# Altium PCB 2m_DBoard_TX.PcbDoc (part 1 of 2)
Units mm, origin at the board's own origin, x right, y up, seen from the top; angles counter-clockwise.
Board outline 63.5 x 139.7 mm, 9 copper layers (Top RF, AGND, AVDD, DVDD, GND 2, Signal 1, Mid-Layer 4, GND 1, Bottom Layer), stack 1.9 mm thick; 289 components, 256 nets, 1461 pads, 221 vias.
Unrouted connection lines stored in the file: 904.
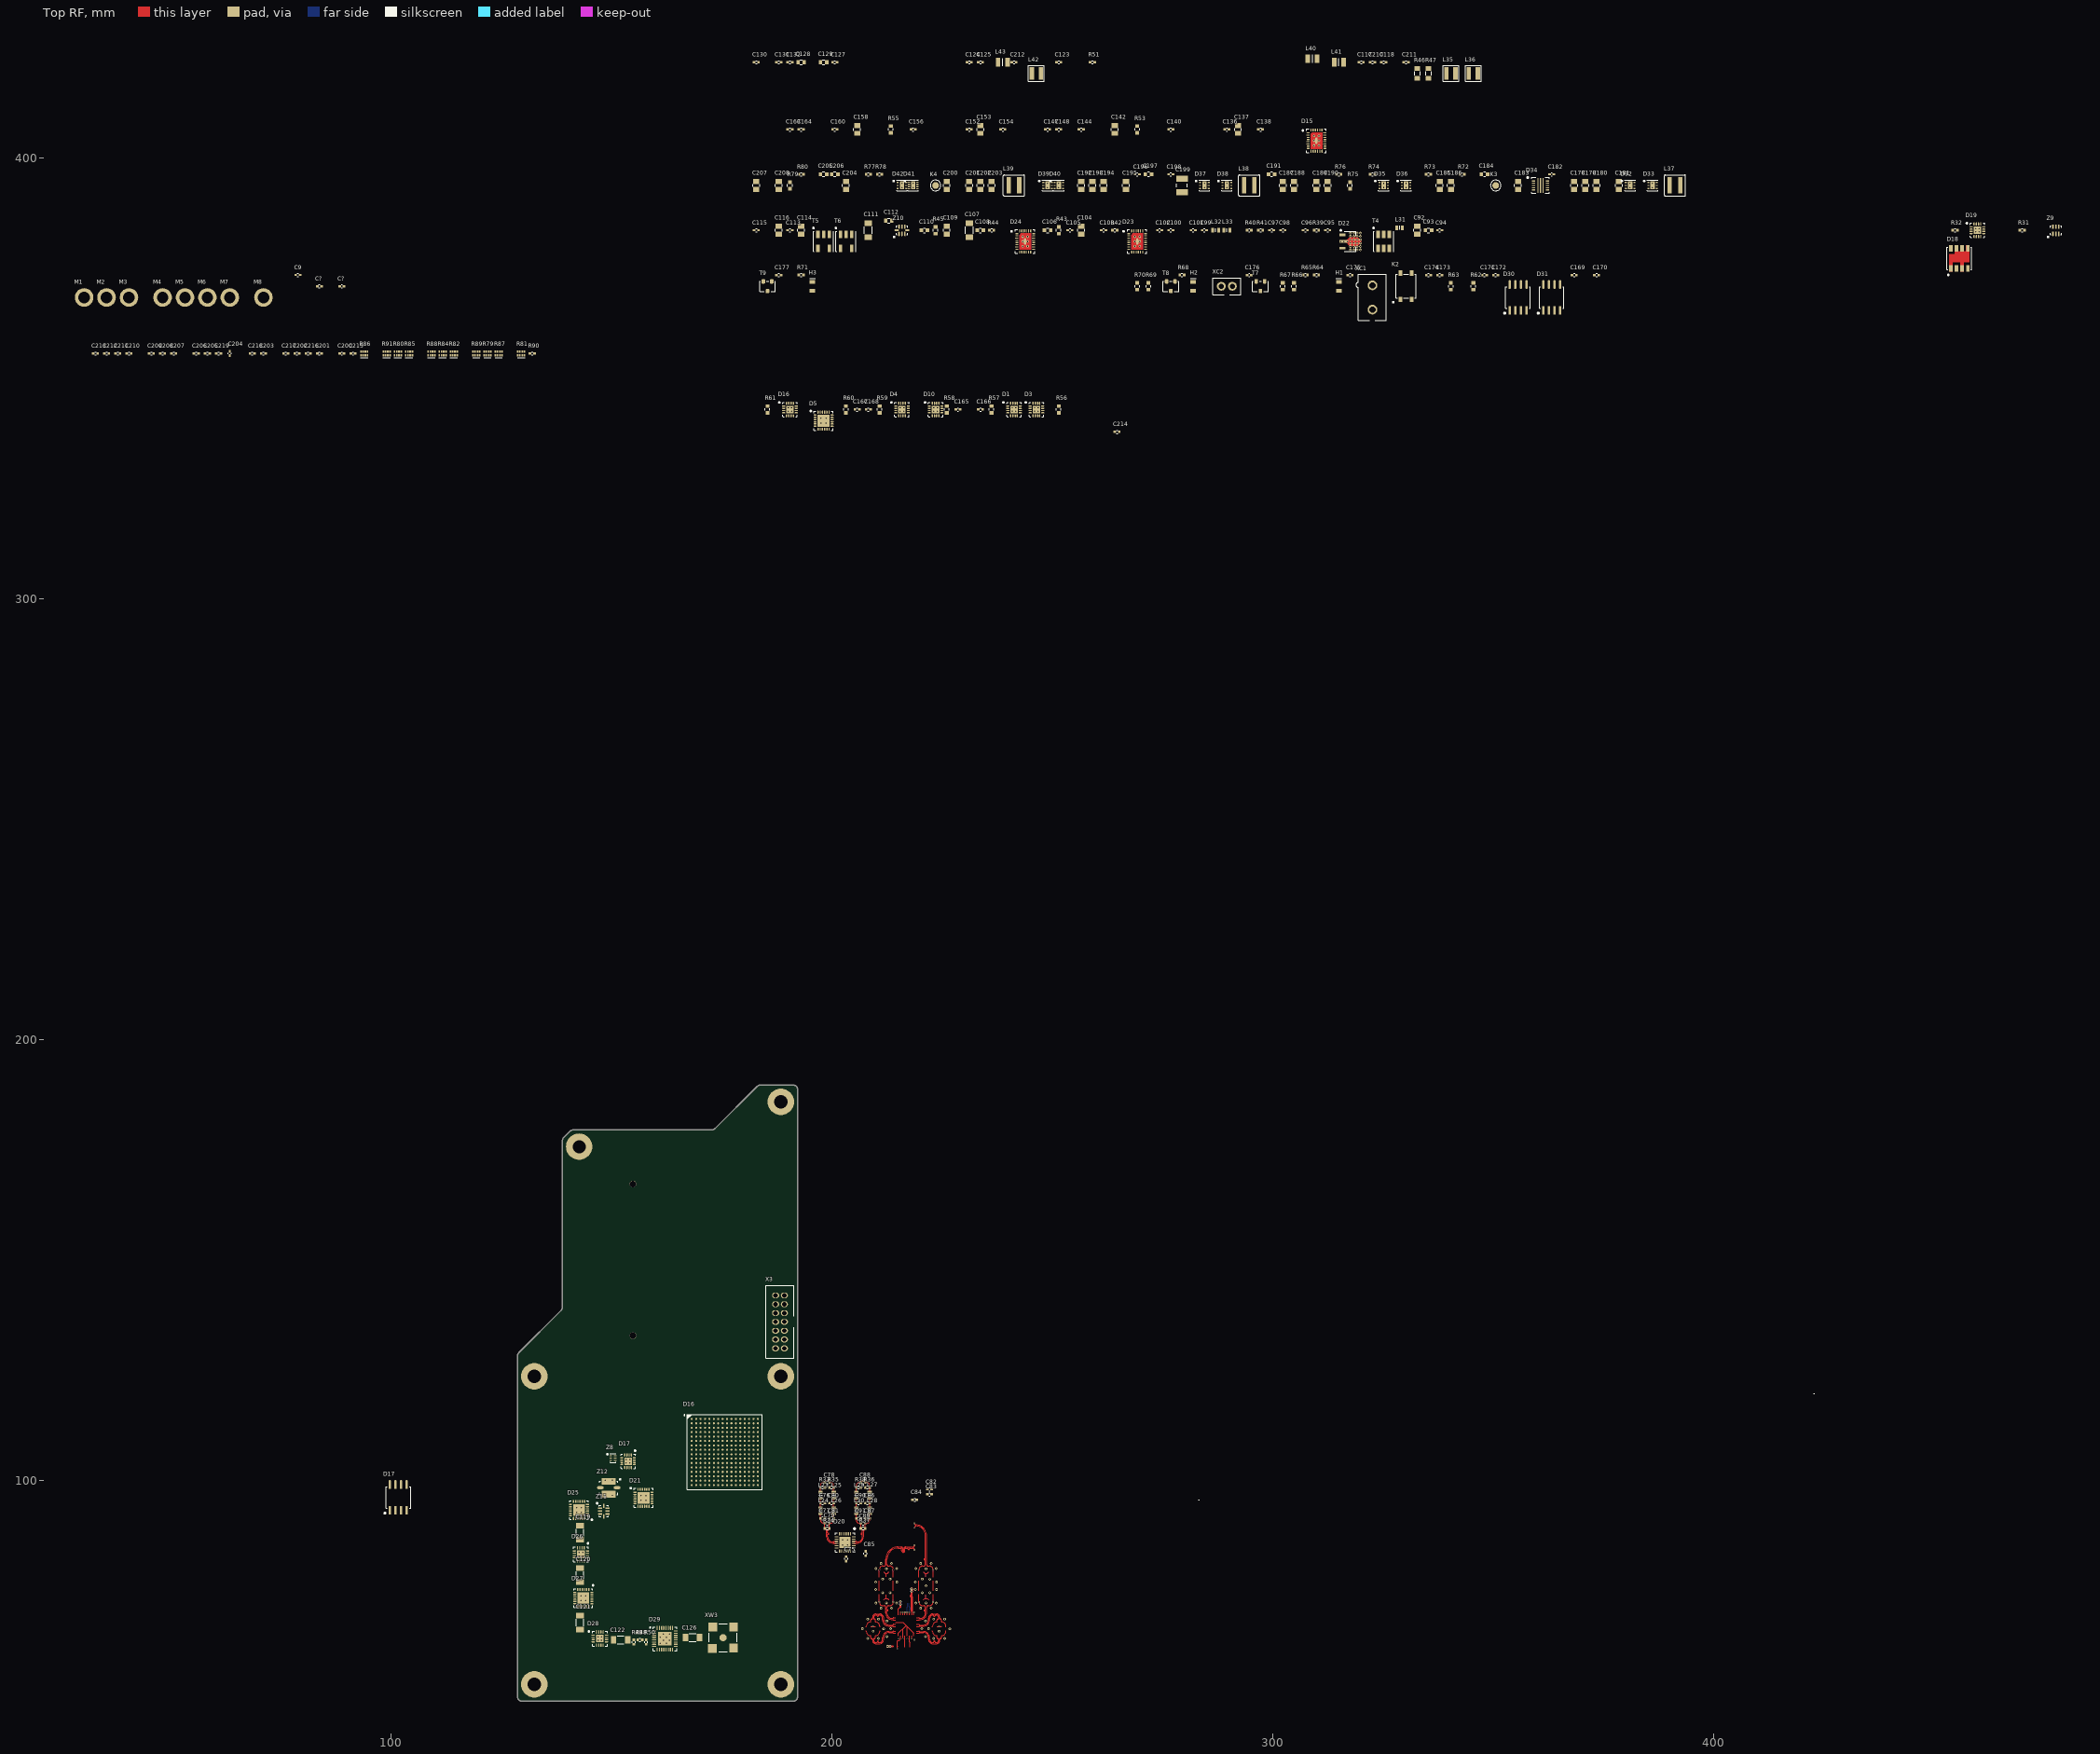
[diagram p0: Top RF view]
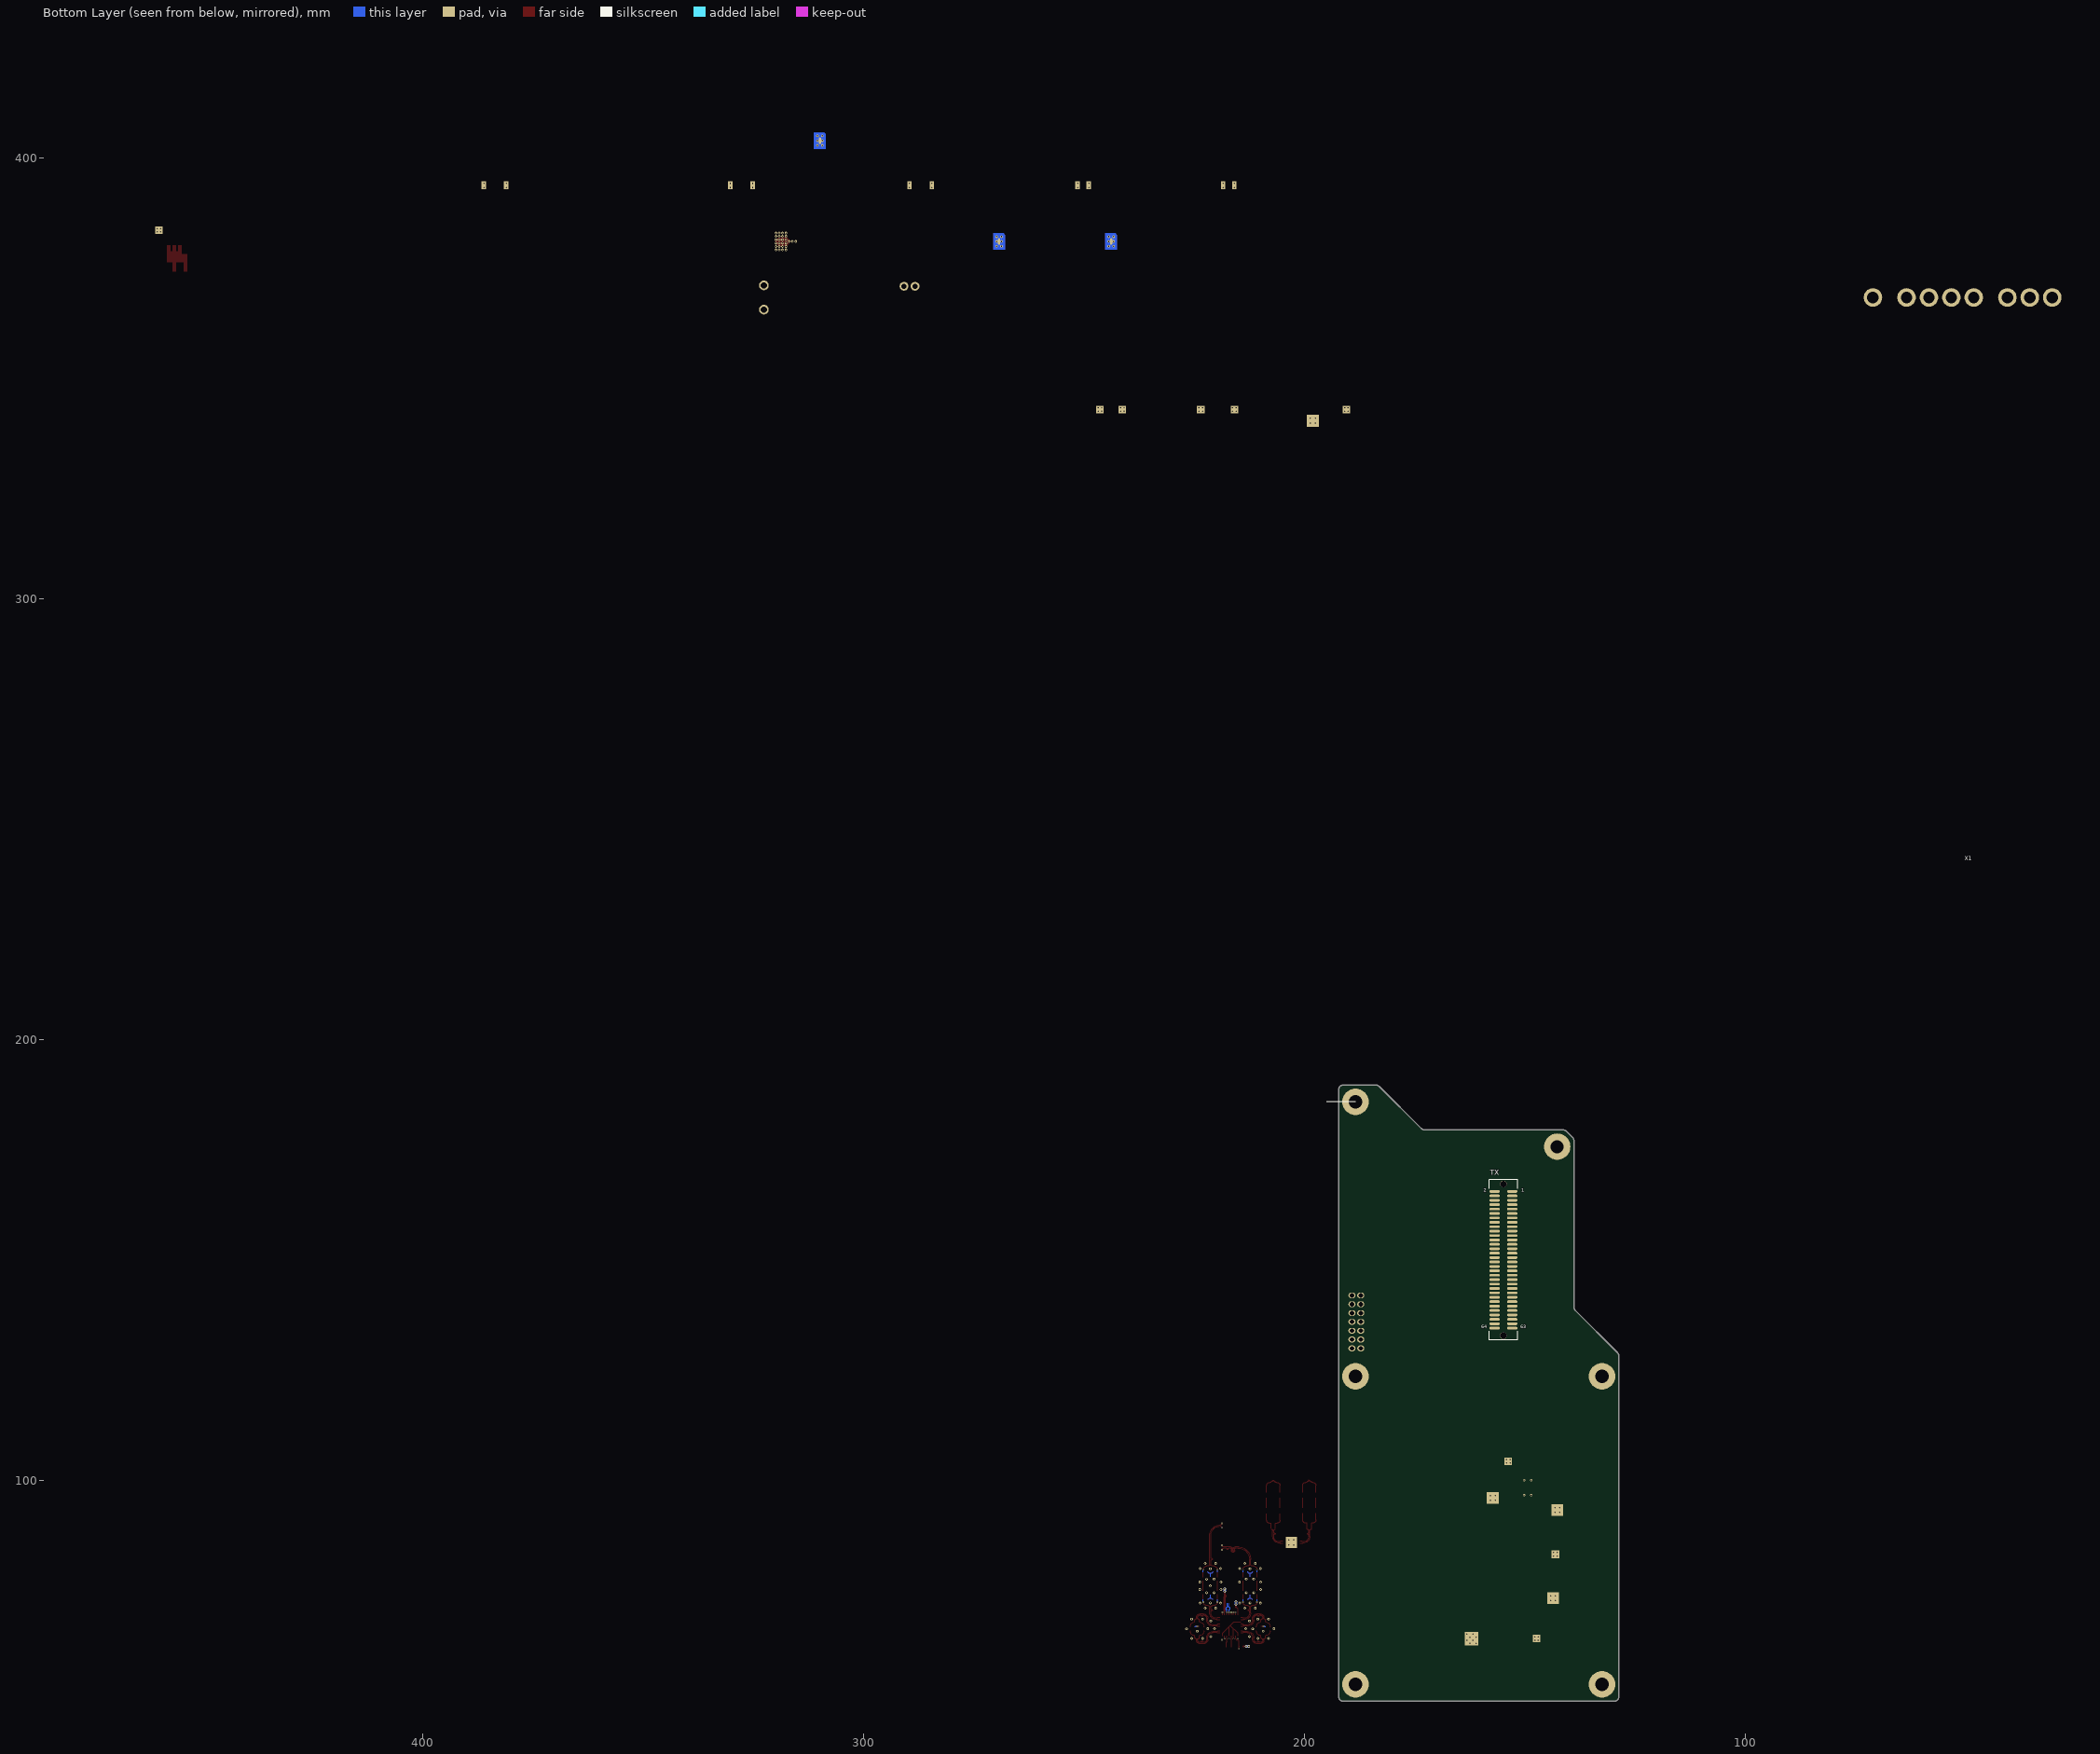
[diagram p1: Bottom Layer view, seen from below]
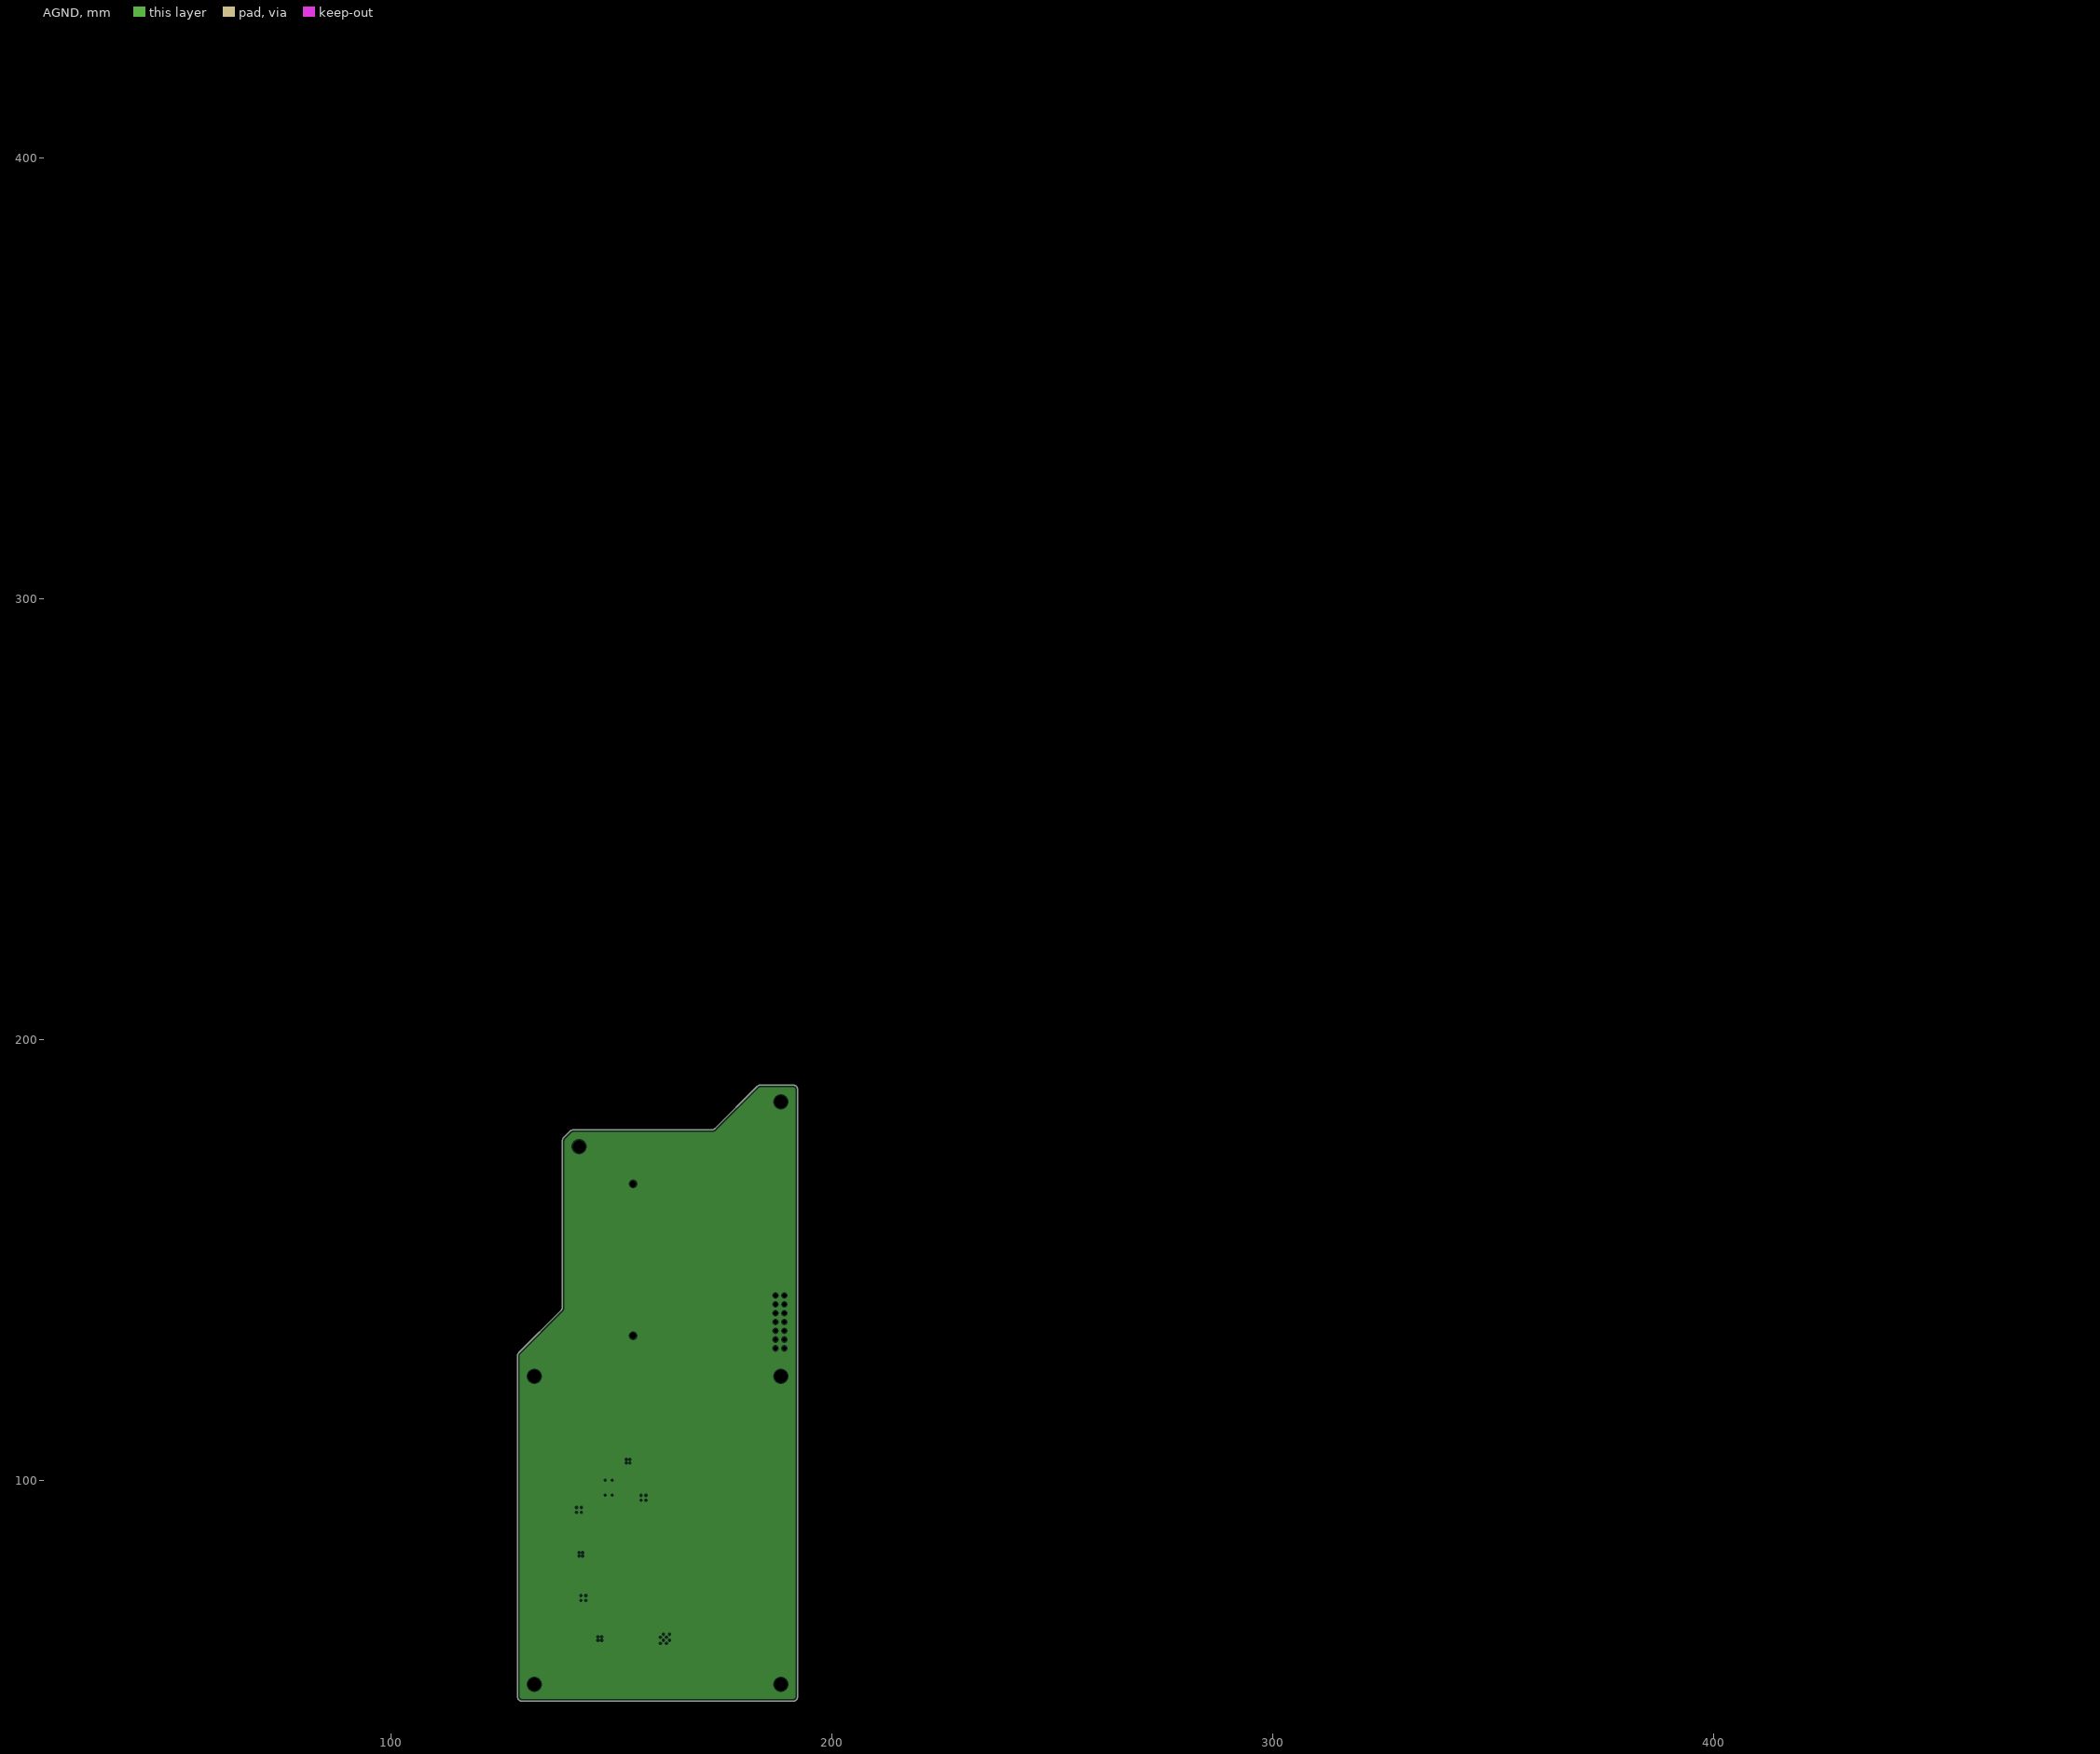
[diagram p2: AGND, clearances drawn from the general rule]
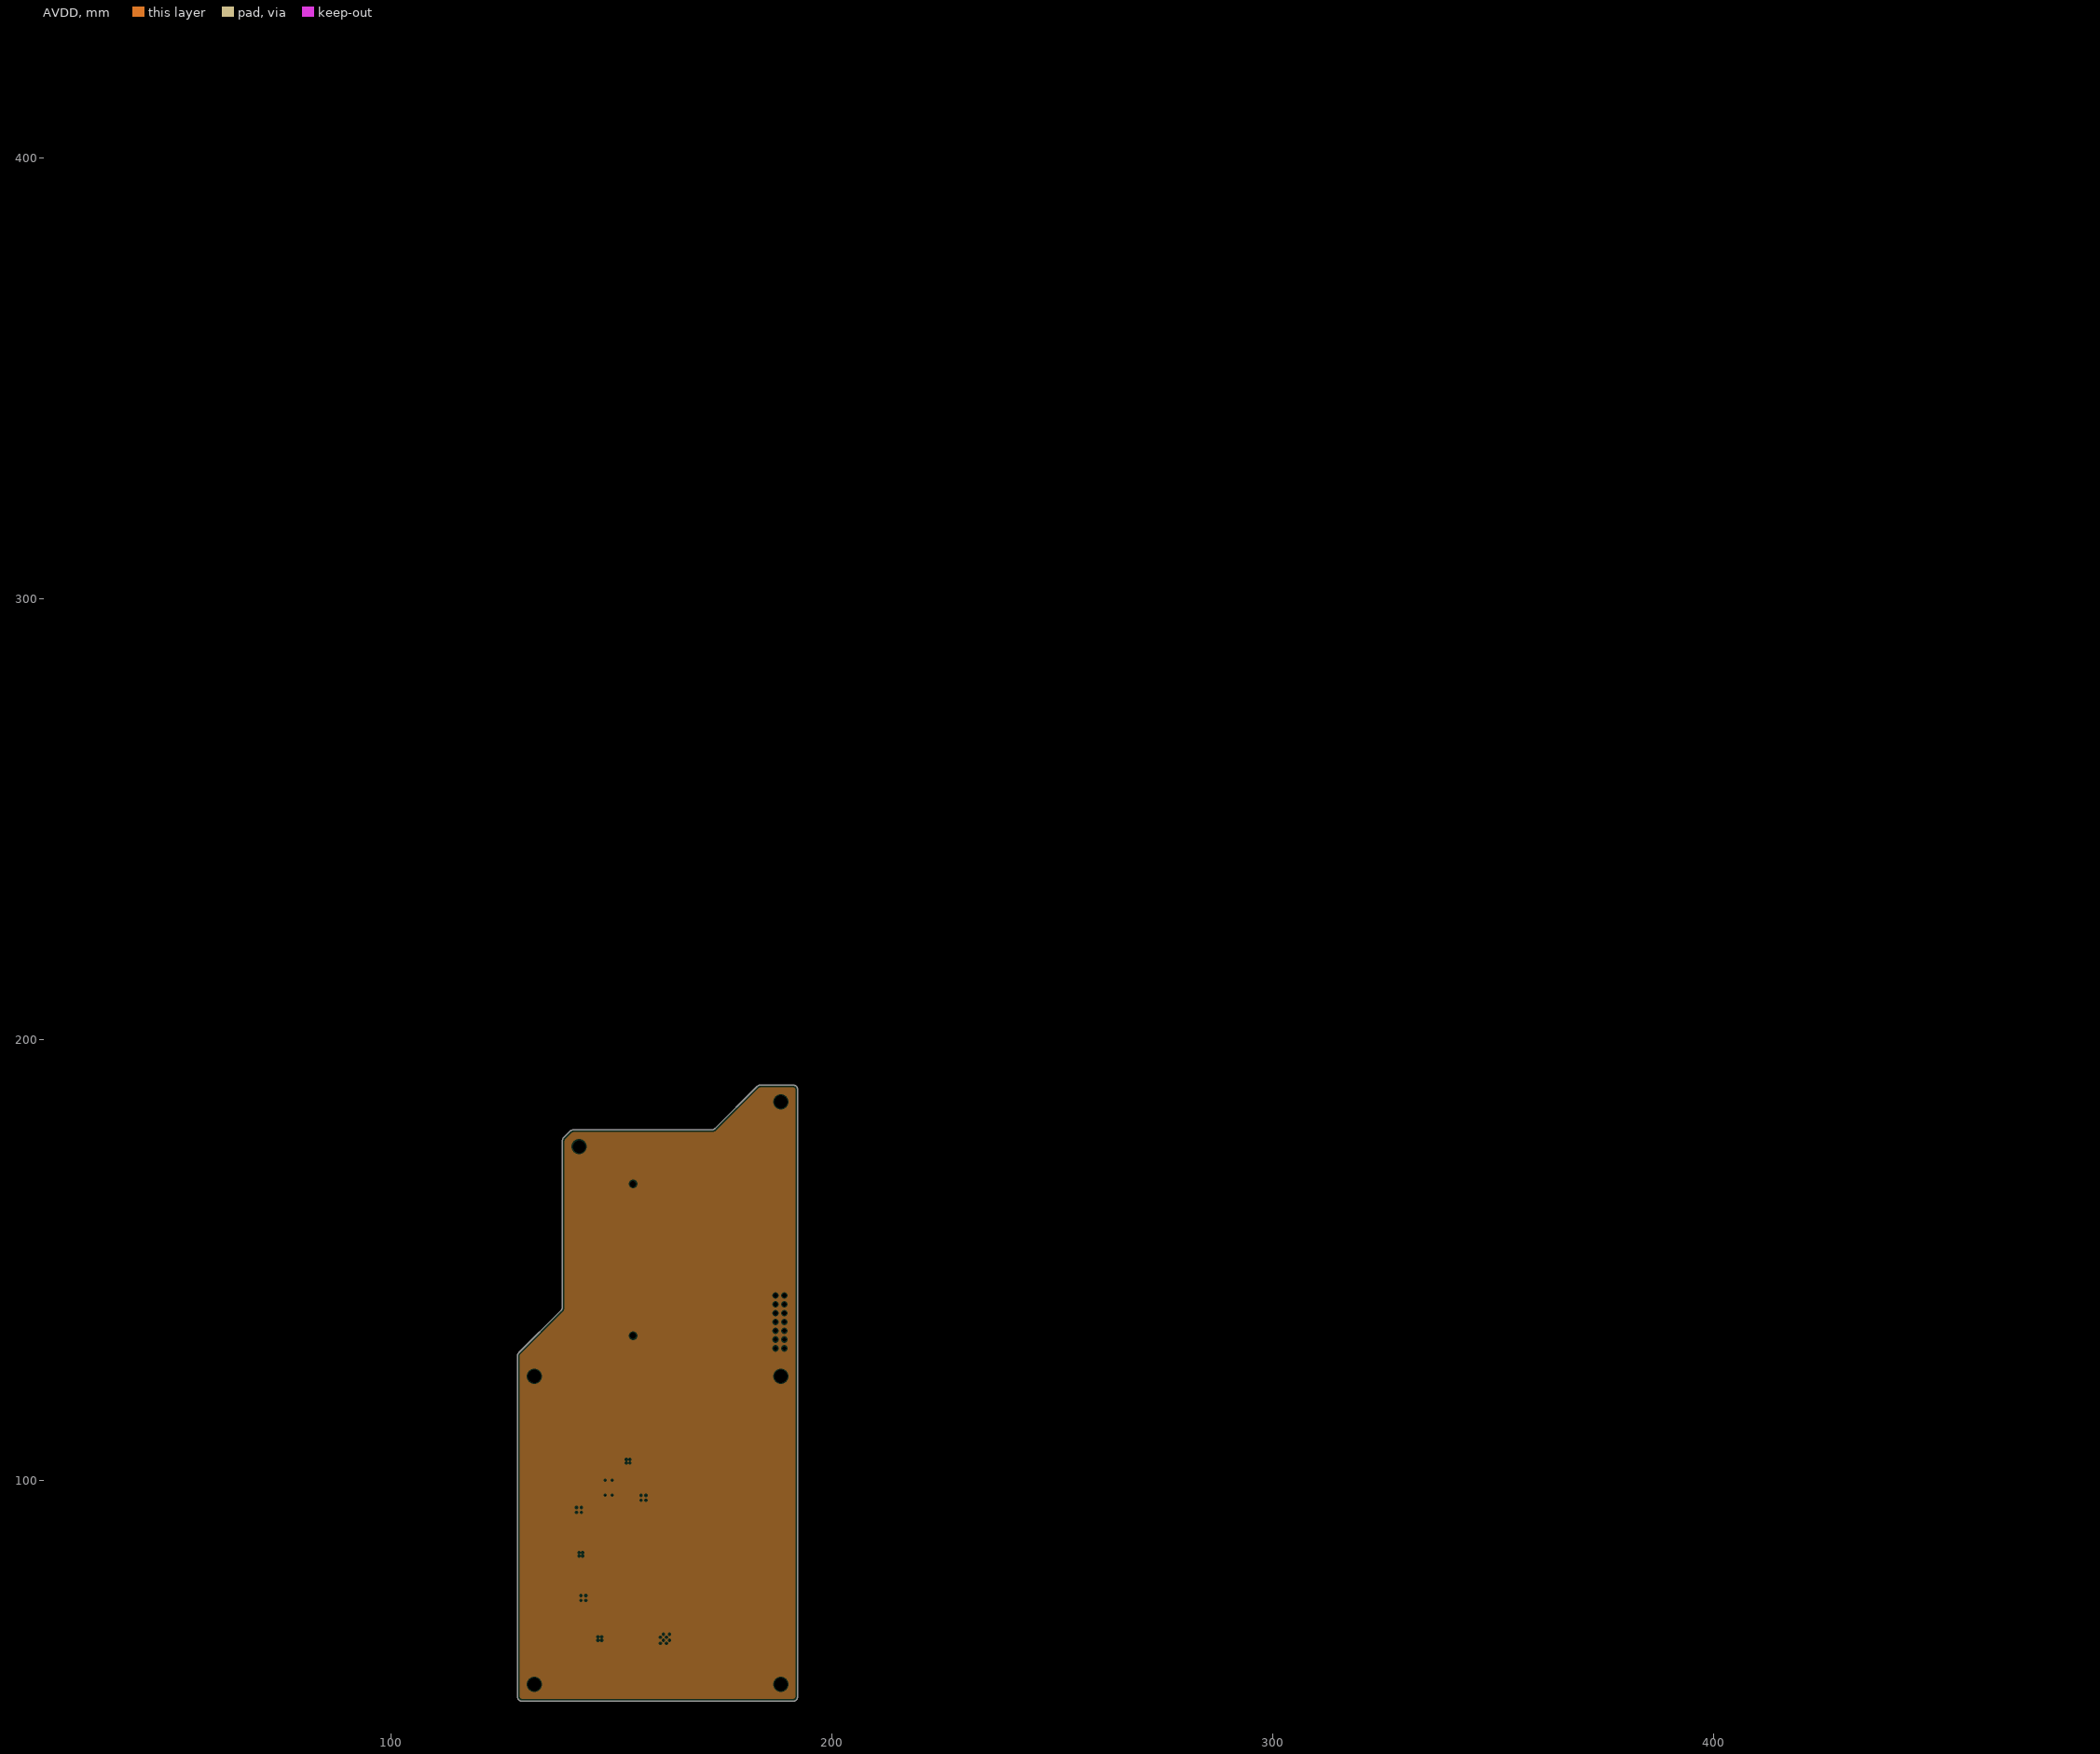
[diagram p3: AVDD, clearances drawn from the general rule]